# Altium PCB focDriver.PcbDoc (part 2 of 2)
Units mil, origin at the board's own origin, x right, y up, seen from the top; angles counter-clockwise.
Board outline 2559.06 x 1574.8 mil, 4 copper layers (Top Layer, Power, Gnd, Bottom Layer), stack 23.756 mil thick; 219 components, 171 nets, 804 pads, 460 vias.
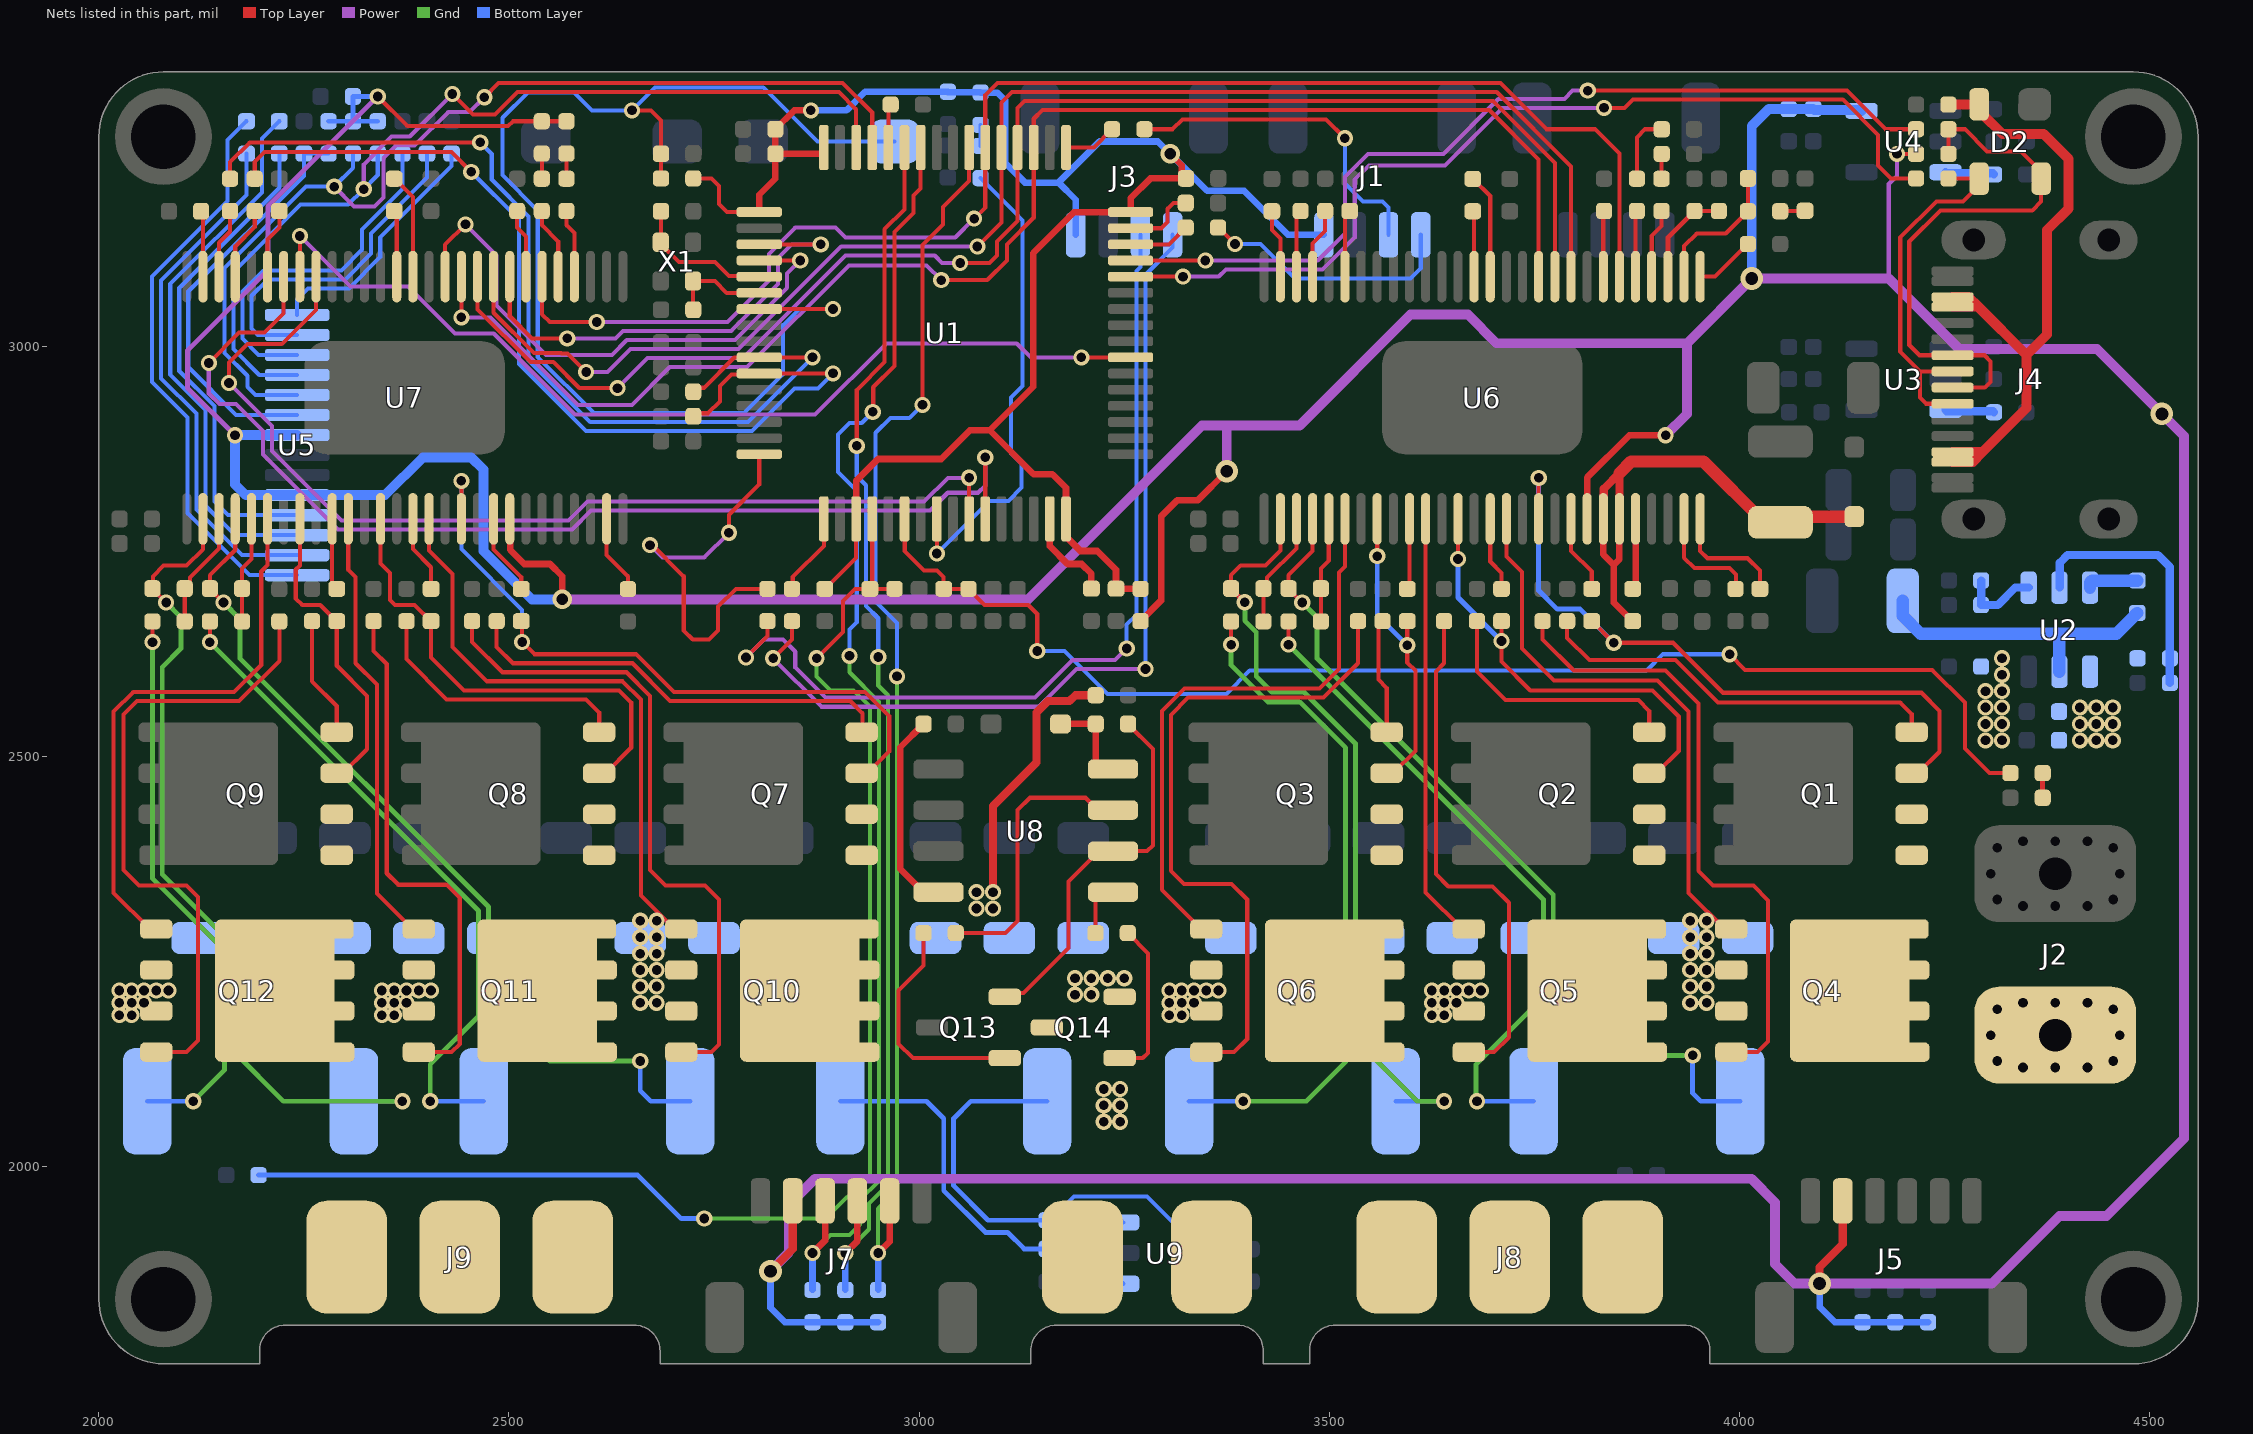
[diagram p4: the nets of this part, all layers, seen from the top]

## Via types
v1: diameter 19.68, hole 11.81, Top Layer to Bottom Layer, tented both sides, 438 vias
v2: diameter 27.56, hole 15.75, Top Layer to Bottom Layer, tented both sides, 13 vias
v3: diameter 25.59, hole 15.75, Top Layer to Bottom Layer, tented both sides, 5 vias
v4: diameter 23.62, hole 13.78, Top Layer to Bottom Layer, tented both sides, 4 vias

## Nets (pads, with @x,y where several pads share a name; then routed paths per layer and width w, separated by ;. In a path a pad name is that pad's centre, name@x,y a point inside that pad or via, vN(x,y) a via of type N, cw(c..) or ccw(c..) an arc to the next point about the centre after c; other vN are vias at no path point) (continued)
M1_BL: U1.26 U7.20 | length 1259.7
  Top Layer w5: v1(2158.58,2955.58) 2158.58,2980.58 2181,3003 2223.03,3003 2264.72,3044.69 U7.20@2264.72,3085.32 ; U1.26@3060.95,2790 v1(3060.96,2840.19)
  Power w5: v1(2158.58,2955.58) 2211,2903.17 2211,2872.89 2295.89,2788 2572.56,2788 2595.56,2811 3006,2811 3035,2840 3060.77,2840 v1(3060.96,2840.19)
M1_CH: U1.39 U7.21 | length 1195.7
  Top Layer w5: U7.21@2245.07,3085.34 v1(2245.09,3134.91) ; v1(3197.79,2986.84) U1.39@3257.79,2986.84
  Power w5: v1(2245.09,3134.91) 2306.72,3073.28 2376.72,3073.28 2434,3016 2481.44,3016 2580.44,2917 2873,2917 2960,3004 3119,3004 3136.16,2986.84 v1(3197.79,2986.84)
M1_CL: U1.27 U7.22 | length 1362.1
  Top Layer w5: v1(2134.08,2980.08) 2171,3017 2202,3017 2225.35,3040.35 U7.22@2225.35,3085.32 ; U1.27@3080.63,2790 v1(3080.64,2865)
  Power w5: v1(2134.08,2980.08) 2134,2980 2134,2943 2147,2930 2167,2930 2200,2897 2200,2868.33 2291.33,2777 2577.11,2777 2600.11,2800 3013,2800 3034.85,2821.85 3071.85,2821.85 3080.64,2830.64 v1(3080.64,2865)
M1_CS: U1.3 U7.8 | length 579.7
  Top Layer w5: U7.8@2500.94,3085.32 2500.94,3037.17 2528.11,3010 v1(2571,3010) ; U1.3@2805.05,3124.64 v1(2880.05,3124.64)
  Power w5: v1(2571,3010) 2630,3010 2639,3019 2770.89,3019 2828.14,3076.25 2828.14,3108.14 2844.64,3124.64 v1(2880.05,3124.64)
M1_DC_CAL: U1.4 U7.12 | length 691.4
  Top Layer w5: U7.12@2422.2,3085.32 2422.2,3124.2 v1(2447,3149) ; U1.4@2805.05,3104.95 v1(2855.05,3104.95)
  Power w5: v1(2447,3149) 2485,3111 2485,3050 2545,2990 2625.56,2990 2643.56,3008 2775.44,3008 2839.14,3071.7 2839.14,3089.04 v1(2855.05,3104.95)
M1_ENC_A: J7.3 R27.1 U1.58 | length 1595.5
  Top Layer w5: v1@2943.53,2913.47 2944,2913.94 2944,2950.44 2970,2976.44 2970,3139.56 2993.21,3162.77 2993.21,3184.21 3001.89,3192.89 U1.58@3001.89,3242.74
  Top Layer w8: v1(2870,1895) 2885.31,1910.31 J7.3@2885.31,1958.62
  Gnd w5: v1(2870,1895) 2892,1917 2915,1917 2928,1930 2928,1960 2951,1983 2951,2567 2915,2603 v1(2915,2623)
  Bottom Layer w5: v1(2915,2623) 2915,2655 2924,2664 2924,2824 2901,2847 2901,2892.91 2915.09,2907 2930.06,2907 v1(2943.53,2920.47)
  Bottom Layer w8: R27.1@2870,1850 v1(2870,1895)
M1_ENC_B: J7.4 R28.1 U1.59 | length 1523.8
  Top Layer w5: v1(2924,2879) 2924,2947 2958,2981 2958,3143.11 2982.21,3167.32 U1.59@2982.21,3242.74
  Top Layer w8: v1(2910,1895) 2924.68,1909.68 J7.4@2924.68,1958.62
  Gnd w5: v1(2910,1895) 2939,1924 2939,1955.44 2962,1978.44 2962,2575 2950.15,2586.85 v1(2950.15,2621.66)
  Bottom Layer w5: v1(2924,2879) 2924,2842 2935,2831 2935,2684 2950.15,2668.85 v1(2950.15,2621.66)
  Bottom Layer w8: R28.1@2910,1850 v1(2910,1895)
M1_ENC_Z: J7.5 R29.1 U1.55 | length 1543.2
  Top Layer w5: v1(3004,2929) 3004,3124 3029,3149 3029,3170 3060.95,3201.95 U1.55@3060.95,3242.74
  Top Layer w8: v1(2950,1895) 2964.05,1909.05 J7.5@2964.05,1958.62
  Gnd w5: v1(2950,1895) 2950,1949 2973,1972 v1(2973,2598)
  Bottom Layer w5: v1(2973,2598) 2973,2663 2947,2689 2947,2895 2965,2913 2988,2913 v1(3004,2929)
  Bottom Layer w8: R29.1@2950,1850 v1(2950,1895)
M1_SO1: C81.1 R71.1 U1.11 | length 1201.8
  Top Layer w5: R71.1@2190,3204.68 2190,3225 2202,3237 2430,3237 v1(2454,3213) ; C81.1@2724.68,2915 2728.49,2918.8 2742.8,2918.8 2757,2933 2757,2952 2771.05,2966.05 2803.94,2966.05 U1.11@2805.05,2967.16 2805.14,2967.25 2889.96,2967.25 v1@2890.05,2967.34
  Bottom Layer w5: v1(2454,3213) 2512,3155 2512,2979 2594,2897 2796,2897 2848.15,2949.15 2876.85,2949.15 v1(2895.05,2967.34) ; v1@2889.87,2967.16 v1@2890.05,2967.34
M1_SO2: C82.1 R72.1 U1.10 | length 1193.2
  Top Layer w5: R72.1@2160,3204.68 2160,3225 2184,3249 v1(2465,3249) ; C82.1@2724.68,2945 2729.49,2949.8 2737.8,2949.8 2774.58,2986.58 2804.79,2986.58 U1.10@2805.05,2986.84 v1@2865.05,2986.84
  Bottom Layer w5: v1(2465,3249) 2479,3235 2479,3203.56 2524,3158.56 2524,2983 2599,2908 2791.21,2908 v1(2870.05,2986.84)
M1_TEMP: C72.1 R56.1 R57.2 U1.20 | length 1700.8
  Top Layer w5: v1(2875,2620) 2907,2652 2907,2690 2921.68,2704.68 C72.1@2940,2704.68 ; U1.20@2942.84,2790 2942.84,2707.53 C72.1@2940,2704.68 ; R57.2@2970,2704.68 C72.1@2940,2704.68
  Gnd w5: v1(2738,1937) 2886,1937 2940,1991 2940,2561 2920,2581 2892,2581 2875,2598 v1(2875,2620)
  Bottom Layer w6: R56.1@2194.68,1990 2657,1990 2710,1937 v1(2738,1937)
NetC20_1: C20.1 L1.1 U2.2 | length 370.1
  Bottom Layer w15: L1.1@4199.21,2690 4199.21,2671.58 4220.8,2650 4390,2650 ; U2.2@4390,2603.8 4390,2650 ; C20.1@4485,2675.32 4484.61,2675.32 4482.26,2672.97 4482.26,2672.58 4459.69,2650 4390,2650
NetC20_2: C20.2 U2.6 | length 64.7
  Bottom Layer w15: U2.6@4427.4,2706.2 4427.4,2712.34 4429.74,2714.68 C20.2@4485,2714.68
NetC21_1: C21.1 U1.5 X1.1 | length 176.7
  Top Layer w5: C21.1@2685.47,3165.16 C21.1@2685.32,3165 2685.16,3164.84 2685.16,3127.4 X1.1@2685,3127.24 2685,3125.28 2707.28,3103 2751,3103 2768.08,3085.92 2804.4,3085.92 U1.5@2805.05,3085.27
NetC24_1: C24.1 U1.6 X1.3 | length 122
  Top Layer w5: C24.1@2724.84,3044.84 C24.1@2724.68,3045 2724.53,3045.16 2724.53,3079.84 X1.3@2724.37,3080 2751,3080 2765.42,3065.58 U1.6@2805.05,3065.58
NetC31_1: C31.1 U1.47 | length 89.3
  Top Layer w5: U1.47@3257.79,3144.32 3295.32,3144.32 3303,3152 3303,3168 3310,3175 C31.1@3325,3175
NetC32_1: C32.1 U1.31 | length 115.9
  Top Layer w8: U1.31@3159.37,2790 3159.37,2756.63 3181,2735 3198,2735 3210,2723 C32.1@3210,2705
NetC33_2: C33.2 R12.1 SW1.1 U1.7 | length 1520.3
  Top Layer w5: v1(2650,3288) 2673,3288 2685.32,3275.68 C33.2@2685.32,3235 R12.1@2685.32,3205 ; U1.7@2805.05,3045.9 v1@2890.05,3045.9
  Bottom Layer w5: v1(2895.05,3045.9) 2853.9,3045.9 2834,3026 2834,2966.35 2786.65,2919 2603.56,2919 2535,2987.56 2535,3166 2492,3209 2492,3279 2523,3310 2579,3310 2601,3288 v1(2650,3288) 2678,3316 2810,3316 2876,3250 SW1.1@2970.12,3250
NetC45_1: C45.1 U5.1 | length 708.5
  Bottom Layer w5: C45.1@2180,3274.68 2179.61,3274.68 2157,3252.08 2157,3177.34 2065,3085.34 2065,2956.77 2108,2913.77 2108,2796.89 2183.55,2721.34 U5.1@2241.73,2721.34
NetC45_2: C45.2 U5.2 | length 640.6
  Bottom Layer w5: C45.2@2180,3235.32 2180,3184.78 2076,3080.78 2076,2961.33 2119,2918.33 2119,2801.44 2174.7,2745.75 U5.2@2241.73,2745.75
NetC46_1: C46.1 U5.3 | length 668.3
  Bottom Layer w5: C46.1@2220,3274.68 2219.68,3274.68 2198.74,3253.74 2198.74,3187.96 2087,3076.23 2087,2965.89 2130,2922.89 2130,2806 2165.84,2770.16 U5.3@2241.73,2770.16
NetC46_2: C46.2 U5.4 | length 600.2
  Bottom Layer w5: C46.2@2220,3235.32 2220,3193.67 2098,3071.67 2098,2970.44 2141,2927.44 2141,2811 2157.43,2794.57 U5.4@2241.73,2794.57
NetC48_1: C48.1 U5.13 | length 416.2
  Bottom Layer w5: U5.13@2241.73,3014.25 2193.75,3014.25 2186,3022 2186,3062 2206,3082 2300.44,3082 2332,3113.56 2332,3138 2400,3206 C48.1@2400,3235.32
NetC49_1: C49.1 U5.14 | length 303.9
  Bottom Layer w5: U5.14@2241.73,3038.66 2241.73,3057.73 2255,3071 2305,3071 2343,3109 2343,3133 2430,3220 C49.1@2430,3235.32
NetC52_1: C52.1 U6.56 | length 144.2
  Top Layer w5: U6.56@3952.13,2790 3952.13,2750.87 3961,2742 4010,2742 4025,2727 C52.1@4025,2704.68
NetC53_2: C53.2 R36.1 U6.2 | length 172.6
  Top Layer w5: U6.2@3932.44,3085.32 3932.44,3122.44 3948,3138 3983.32,3138 R36.1@4010.32,3165 C53.2@4010.32,3205
NetC54_2: C54.2 R36.2 | length 30.6
  Top Layer w5: R36.2@4049.68,3165 4050,3165.32 4079.68,3165.32 C54.2@4080,3165.63
NetC57_1: C57.1 U6.52 | length 86.7
  Top Layer w8: C57.1@3870,2704.68 3873.39,2708.07 U6.52@3873.39,2790
NetC57_2: C57.2 D5.1 L2.1 U6.50 U6.51 | length 644.2
  Top Layer w5: U6.50@3834.02,2790 U6.50@3834.6,2790.58 ; C57.2@3869.61,2665.32 C57.2@3870,2665.32
  Top Layer w8: U6.50@3834.02,2790 3834.02,2746.68 3846.85,2733.85 ; U6.51@3853.7,2790 3853.7,2740.7 3846.85,2733.85 ; C57.2@3869.61,2665.32 3846.85,2688.07 3846.85,2733.85
  Top Layer w10: U6.50@3834.6,2790.58 3834.6,2826.6 3853.7,2845.7 U6.51@3853.7,2790
  Top Layer w15: 3853.7,2845.7 3868,2860 3956.1,2860 4030.32,2785.79 L2.1@4050,2785.79 4056.89,2792.68 D5.1@4140,2792.68
NetC59_1: C59.1 U6.48 | length 95.8
  Top Layer w5: U6.48@3794.65,2790 3794.65,2751 3820,2725.65 C59.1@3820,2704.68
NetC60_1: C60.1 U6.43 | length 91
  Top Layer w5: U6.43@3696.22,2790 3696.22,2738 3710,2724.22 C60.1@3710,2704.68
NetC62_1: C62.1 U6.15 | length 80.3
  Top Layer w5: C62.1@3675,3165 3676.54,3163.46 U6.15@3676.54,3085.32
NetC62_2: C62.2 U6.14 | length 128.1
  Top Layer w5: C62.2@3675,3204.37 3675.39,3204.37 3696.22,3183.54 U6.14@3696.22,3085.32
NetC63_1: C63.1 U6.38 | length 86.5
  Top Layer w5: C63.1@3595,2704.68 3597.8,2707.49 U6.38@3597.8,2790
NetC64_2: C64.2 U6.23 | length 82.5
  Top Layer w5: U6.23@3519.06,3085.32 3519.06,3159.38 C64.2@3525,3165.32
NetC65_1: C65.1 R52.1 U6.33 | length 129
  Top Layer w5: R52.1@3489.68,2665 C65.1@3489.68,2705 3489.68,2729.68 3499.37,2739.37 U6.33@3499.37,2790
NetC66_1: C66.1 U6.27 | length 84
  Top Layer w5: C66.1@3430,3165 3430,3142 3440.32,3131.68 U6.27@3440.32,3085.32
NetC71_1: C71.1 R55.1 U6.31 | length 141.7
  Top Layer w5: R55.1@3419.68,2665 C71.1@3419.68,2705 3424.3,2709.62 3424.3,2718.3 3460,2754 U6.31@3460,2790
NetC73_1: C73.1 U7.48 | length 99.3
  Top Layer w5: U7.48@2481.26,2790 2481.32,2789.94 2481.32,2752.68 2514.9,2719.1 2514.9,2704.78 C73.1@2515,2704.68
NetC74_1: C74.1 U7.43 | length 94.5
  Top Layer w5: U7.43@2382.83,2790 2382.83,2753.17 2405,2731 C74.1@2405,2704.68
NetC76_1: C76.1 U7.15 | length 81.3
  Top Layer w5: C76.1@2360,3165.32 2363.15,3162.16 U7.15@2363.15,3085.32
NetC76_2: C76.2 U7.14 | length 129.1
  Top Layer w5: C76.2@2360,3204.68 2360.39,3204.68 2382.83,3182.25 U7.14@2382.83,3085.32
NetC77_1: C77.1 U7.38 | length 93.9
  Top Layer w5: U7.38@2284.41,2790 2284.41,2710.28 C77.1@2290,2704.68 C77.1@2294.41,2709.09
NetC78_2: C78.2 U7.23 | length 85.9
  Top Layer w5: U7.23@2205.67,3085.32 2205.67,3130.67 2220,3145 C78.2@2220,3165.32
NetC79_1: C79.1 R70.1 U7.33 | length 129.7
  Top Layer w5: R70.1@2174.68,2665 C79.1@2174.68,2705 2174.68,2729.68 2185.98,2740.98 U7.33@2185.98,2790
NetC80_1: C80.1 U7.27 | length 80.6
  Top Layer w5: C80.1@2124.68,3165 2126.93,3162.76 U7.27@2126.93,3085.32
NetC85_1: C85.1 R73.1 U7.31 | length 135.2
  Top Layer w5: R73.1@2104.68,2665 C85.1@2104.68,2705 ; C85.1@2110.91,2709.62 2110.91,2718.3 2146.61,2754 U7.31@2146.61,2790
NetC90_1: C90.1 D8.1 U8.8 | length 114.5
  Top Layer w8: D8.1@3172.32,2540 C90.1@3215.32,2540 3215.32,2492.67 3222.98,2485 U8.8@3236.3,2485
NetC90_2: C90.2 J10.1 Q13.2 Q14.3 U8.6 | length 465
  Top Layer w5: Q13.2@3114.24,2207.4 3118.87,2212.03 3127.03,2212.03 3182,2267 3182,2347.86 3219.14,2385 U8.6@3236.3,2385 3278,2385 3285,2392 3285,2509.29 3254.68,2539.61 C90.2@3254.68,2540
  Top Layer w8: Q13.2@3104.4,2207.4 Q13.2@3114.24,2207.4
NetC92_1: C92.1 R77.1 U9.3 | length 87.6
  Bottom Layer w5: C92.1@3194.68,1900 3194.68,1932.4 3195.99,1933.7 3247.5,1933.7 U9.3@3248.8,1932.4
NetD1_2: D1.2 R20.2 | length 25.6
  Bottom Layer w5: D1.2@3075,3244.68 R20.2@3075,3270.32
NetD3_1: D3.1 U6.4 | length 84.9
  Top Layer w5: U6.4@3893.07,3085.32 3893.07,3135.07 3905,3147 D3.1@3905,3165.32
NetD3_2: D3.2 R44.2 | length 30.4
  Top Layer w5: D3.2@3905,3204.68 3905.16,3204.84 3905.16,3234.84 R44.2@3905.32,3235
NetD4_1: D4.1 U6.5 | length 81.4
  Top Layer w5: D4.1@3870,3165.32 3873.39,3161.93 U6.5@3873.39,3085.32
NetD4_2: D4.2 R45.2 | length 84.8
  Top Layer w5: D4.2@3875,3204.68 3875,3255 3885,3265 R45.2@3905.32,3265
NetD6_1: D6.1 U7.4 | length 84
  Top Layer w5: D6.1@2570,3165.32 2570,3148 2579.68,3138.32 U7.4@2579.68,3085.32
NetD6_2: D6.2 R62.2 | length 30.6
  Top Layer w5: D6.2@2570,3204.68 R62.2@2570,3235.32
NetD7_1: D7.1 U7.5 | length 88.3
  Top Layer w5: D7.1@2540,3165.32 2540,3148 2560,3128 U7.5@2560,3085.32
NetD7_2: D7.2 R63.2 | length 30.6
  Top Layer w5: D7.2@2540,3204.68 R63.2@2540,3235.32
NetJ1_3: J1.3 R4.1 | length 412.5
  Top Layer w5: R4.1@3274.68,3265 3309,3265 3321,3277 3496,3277 v1(3519,3254)
  Bottom Layer w5: v1(3519,3254) 3519,3199 3541,3177 3565,3177 3572.18,3169.82 J1.3@3572.18,3136.38
NetJ1_4: J1.4 R5.1 | length 318.9
  Top Layer w5: R5.1@3364.37,3145 3365,3145 v1(3385,3125)
  Bottom Layer w5: v1(3385,3125) 3416,3125 3458,3083 3599,3083 3611.55,3095.55 J1.4@3611.55,3136.38
NetJ3_3: J3.3 R17.1 | length 1104.9
  Top Layer w5: v1(2789,2621) 2815,2647 R17.1@2815,2665.32
  Power w5: v1(2789,2621) 2811,2643 2834,2643 2849,2628 2849,2609 2886,2572 3141,2572 3187,2618 3239,2618 v1(3253,2632)
  Bottom Layer w5: v1(3253,2632) 3253,2661 3265,2673 3265,3092.13 3269.68,3096.82 J3.3@3269.68,3136.38
NetJ3_4: J3.4 R18.1 | length 1095.4
  Top Layer w5: v1(2822,2620) 2845,2643 R18.1@2845,2665.32
  Power w5: v1(2822,2620) 2881,2561 3146,2561 3192,2607 v1(3276,2607)
  Bottom Layer w5: v1(3276,2607) 3276,3087.57 3309.05,3120.63 J3.4@3309.05,3136.38
NetJ10_2: J10.2 R77.2 R79.1 | length 335.4
  Bottom Layer w6: R77.2@3155.32,1935 3084,1935 3042,1977 3042,2059 3063,2080 R79.1@3155.98,2080
  other v1: 3225,2055 3245,2055 3225,2075 3245,2075 3225,2095 3245,2095
NetQ1_1: Q1.1 R40.1 | length 500.8
  Top Layer w5: R40.1@3790,2665.32 3790,2645 3817,2618 3922,2618 3974,2566 4196,2566 4210,2552 Q1.1@4210,2530
NetQ2_1: Q2.1 R41.1 | length 317.2
  Top Layer w5: R41.1@3680,2665.32 3680,2604 3715,2569 3877,2569 3890,2556 Q2.1@3890,2530
NetQ3_1: Q3.1 R42.1 | length 139.5
  Top Layer w5: R42.1@3560,2665.32 3560,2594 3570,2584 Q3.1@3570,2530
NetQ4_1: Q4.1 R47.1 | length 770.9
  Top Layer w5: R47.1@3760,2665.32 3760,2643 3798,2605 3910,2605 3950,2565 3950,2361 3968,2343 4017,2343 4035,2325 4035,2153 4022,2140 Q4.1@3990,2140
NetQ5_1: Q5.1 R48.1 | length 636.4
  Top Layer w5: R48.1@3640,2665.32 3640,2614 3630,2604 3630,2357 3645,2342 3699,2342 3719,2322 3719,2158 3701,2140 Q5.1@3670,2140
NetQ6_1: Q6.1 R49.1 | length 829.5
  Top Layer w5: Q6.1@3350,2140 3384,2140 3400,2156 3400,2326 3381,2345 3323,2345 3307,2361 3307,2551 3328,2572 3493,2572 3535,2614 R49.1@3535,2665.32
NetQ7_1: Q7.1 R59.1 | length 534.3
  Top Layer w5: R59.1@2485,2665.32 2485,2634 2505,2614 2650.44,2614 2696.44,2568 2916,2568 2931,2553 2931,2531 Q7.1@2930,2530
NetQ8_1: Q8.1 R60.1 | length 332.2
  Top Layer w5: R60.1@2375,2665.32 2375,2619 2424,2570 2594,2570 2610,2554 Q8.1@2610,2530
NetQ9_1: Q9.1 R61.1 | length 147.7
  Top Layer w5: R61.1@2260,2665.32 2260,2592 2290,2562 Q9.1@2290,2530
NetQ10_1: Q10.1 R65.1 | length 807.4
  Top Layer w5: R65.1@2455,2665.32 2455,2640 2492,2603 2643.11,2603 2672,2574.11 2672,2362 2691,2343 2739,2343 2756,2326 2756,2149 2747,2140 Q10.1@2710,2140
NetQ11_1: Q11.1 R66.1 | length 647.5
  Top Layer w5: R66.1@2335,2665.32 2335,2629 2351,2613 2351,2358 2365,2344 2424,2344 2440,2328 2440,2150 2430,2140 Q11.1@2390,2140
NetQ12_1: Q12.1 R67.1 | length 791.1
  Top Layer w5: Q12.1@2070,2140 2107,2140 2121,2154 2121,2329 2107,2343 2049,2343 2030,2362 2030,2551.44 2046.56,2568 2171,2568 2220,2617 R67.1@2220,2665
NetQ13_1: Q13.1 R74.2 | length 284.2
  Top Layer w5: R74.2@3005.32,2285 3005.32,2245.63 2975,2215.32 2975,2150 2992.4,2132.6 Q13.1@3104.4,2132.6
NetQ14_1: Q14.1 R76.2 | length 193.5
  Top Layer w5: Q14.1@3244.4,2132.6 3272.6,2132.6 3279,2139 3279,2260.37 R76.2@3254.37,2285
NetR1_1: R1.1 R2.2 | length 30
  Top Layer w6: R1.1@4369.69,2450 R2.2@4369.69,2480
NetR6_1: R6.1 R7.1 U2.5 | length 316
  Bottom Layer w10: U2.5@4390,2706.2 4390.53,2706.73 4390.53,2736.53 4400,2746 4510,2746 4524.69,2731.32 R7.1@4524.69,2620 R6.1@4524.69,2590
NetR8_1: R8.1 R9.2 U2.4 | length 96.7
  Bottom Layer w10: R8.1@4294.69,2715 R9.2@4294.69,2685 4315,2685 4336.2,2706.2 U2.4@4352.6,2706.2
NetR10_1: R10.1 U1.60 | length 52.3
  Top Layer w5: U1.60@2962.52,3242.74 R10.1@2962.52,3295
NetR14_1: R14.1 U3.3 | length 60.2
  Bottom Layer w10: U3.3@4251.2,2922.6 4252.5,2921.3 4309.02,2921.3 R14.1@4310.31,2920
NetR16_1: R16.1 U4.3 | length 60.2
  Bottom Layer w10: U4.3@4251.2,3212.6 4252.5,3211.3 4309.02,3211.3 R16.1@4310.31,3210
NetR26_2: R26.2 U5.12 | length 436.9
  Bottom Layer w5: U5.12@2241.73,2989.84 2194.86,2989.84 2175,3009.7 2175,3067 2201,3093 2295.89,3093 2321,3118.11 2321,3143 2370,3192 R26.2@2370,3235.32
NetR37_1: R37.1 U6.1 | length 74.6
  Top Layer w5: U6.1@3952.13,3085.32 3970.32,3085.32 4010,3125 R37.1@4010.32,3125
NetR38_1: R38.1 R43.2 U6.3 | length 123.7
  Top Layer w5: U6.3@3912.76,3085.32 U6.3@3913,3085.55 ; R38.1@3945,3165.03 R38.1@3945,3165.32 R43.2@3975,3165.32
  Top Layer w6: U6.3@3912.76,3085.32 3912.76,3132.79 R38.1@3945,3165.03
NetR39_1: R39.1 U6.55 | length 137.2
  Top Layer w5: U6.55@3932.44,2790 3932.44,2742.56 3945,2730 3988,2730 3996,2722 3996,2705.68 R39.1@3995,2704.68
NetR46_2: R46.2 U6.7 | length 73
  Top Layer w5: U6.7@3834.02,3085.32 R46.2@3834.02,3158.3
NetR53_2: R53.2 U6.25 | length 86.3
  Top Layer w5: U6.25@3479.69,3085.32 3479.69,3125.69 3495,3141 R53.2@3495,3165.32
NetR54_2: R54.2 U6.26 | length 82.1
  Top Layer w5: U6.26@3460,3085.32 3460,3160.32 R54.2@3465,3165.32
NetR58_1: R58.1 U7.55 | length 96.4
  Top Layer w5: U7.55@2619.05,2790 2619.05,2745.95 2645,2720 R58.1@2645,2704.37
NetR64_2: R64.2 U7.7 | length 84.4
  Top Layer w5: R64.2@2510,3165.32 2510,3145 2520.63,3134.37 U7.7@2520.63,3085.32
NetR71_2: R71.2 U7.25 | length 89.8
  Top Layer w5: U7.25@2166.3,3085.32 2166.3,3122.3 2190,3146 R71.2@2190,3165.32
NetR72_2: R72.2 U7.26 | length 85.5
  Top Layer w5: U7.26@2146.61,3085.32 2146.61,3126.61 2160,3140 R72.2@2160,3165.32
NetR74_1: R74.1 U8.7 | length 345.3
  Top Layer w5: R74.1@3044.68,2285 3105,2285 3120,2300 3120,2435 3135,2450 3202.6,2450 3217.6,2435 U8.7@3236.3,2435
NetR76_1: R76.1 U8.5 | length 66
  Top Layer w5: R76.1@3215,2285 3215,2325.95 3224.05,2335 U8.5@3236.3,2335